# Altium PCB PCB_Therm.PcbDoc (continued)
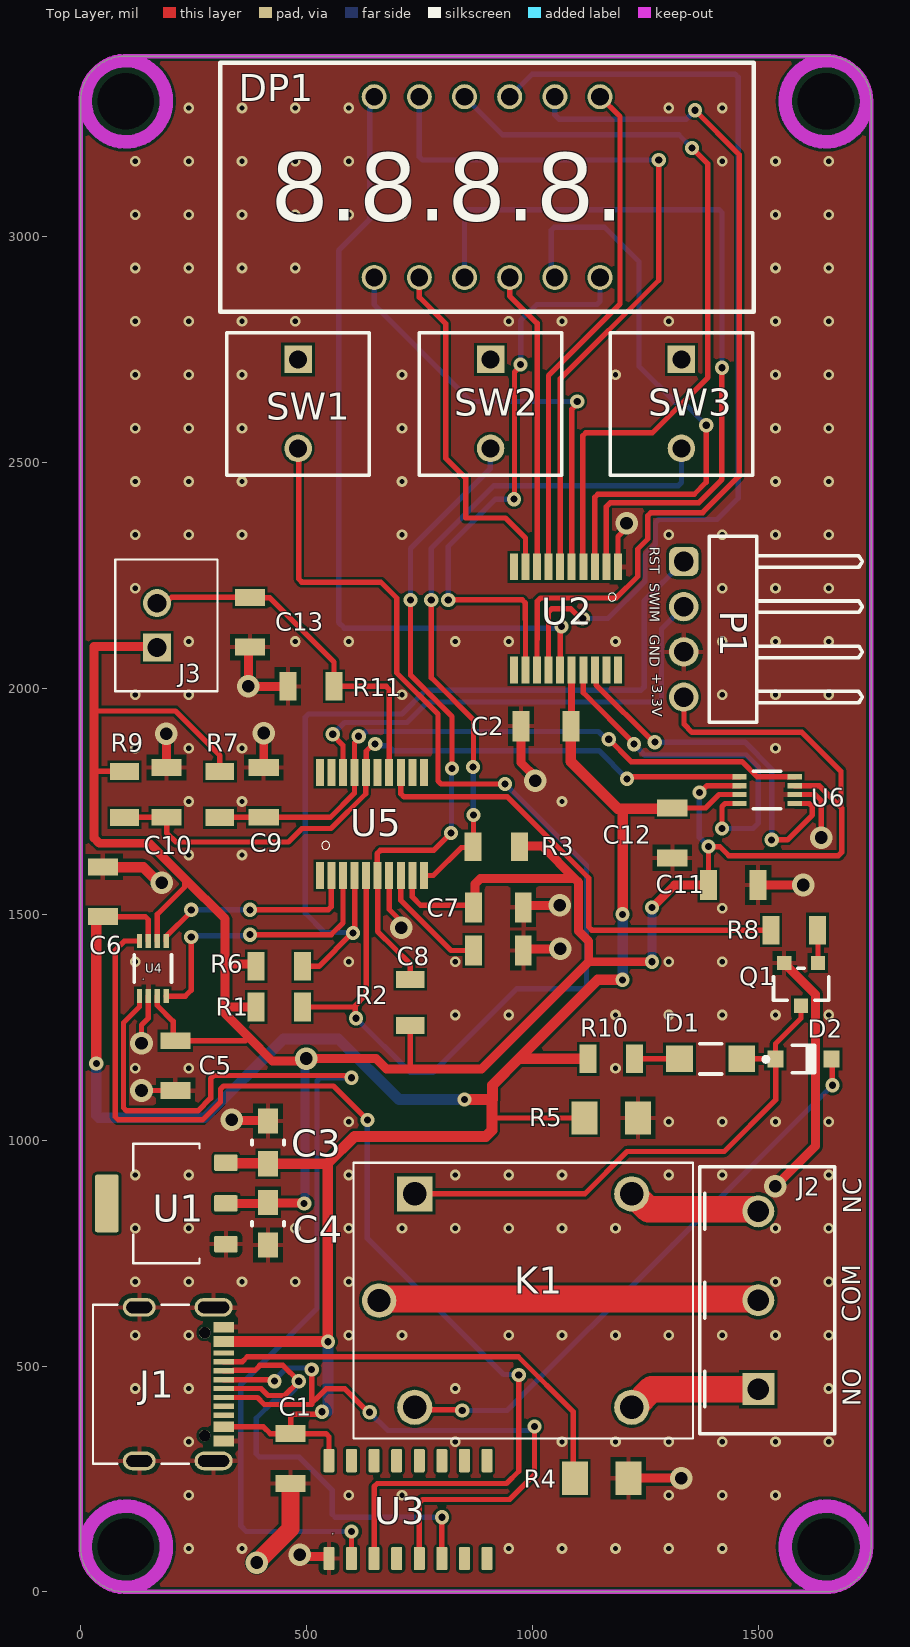
[diagram p0: Top Layer view]
## Part data (continued)
P1: library part CMP-1502-01063-4, "THT Angled Pin Header WR-PHD, Pitch 2.54 mm, Single Row, 4 pins", Color=Black, Contact Resistance=20mΩ, Current Rating=3A, Operating Supply Voltage=250V, Connector Type="Male Pin", Contact Material=Copper, Contact Mating Length=5.9944mm, Contact Plating=Gold, Gender=Male, Lead Pitch=2.54mm, Mount="Through Hole", Number of Contacts=4, Number of Pins=4, Number of Positions=4, Number of Rows=1, Pitch=2.54mm, RoHS=Compliant, Termination=Solder
Q1: library part CMP-83955-000006-1, "MOSFET N-CH 30V 5.7A SOT23", Case/Package=SOT-23, Continuous Drain Current (ID)=5.7A, Drain to Source Voltage (Vdss)=30V, Gate to Source Voltage (Vgs)=12V, Input Capacitance=630pF, Max Operating Temperature=150°C, Max Power Dissipation=1.4W, Min Operating Temperature=-55°C, Lead Free="Lead Free", Mount="Surface Mount", Number of Elements=1, Number of Pins=3, Packaging="Tape and Reel", Power Dissipation=1.4W, Radiation Hardening=No, Rds On Max=26.5mR
R1 R2 R3 R6 R7 R9 R11: library part CMP-03211-004788-1, "CRGP 1206 10K 1%", Ambient Temperature Range High=+70°C, Manufacturer=TE, Package=CRGP1206, Power Rating=0.5W, Resistance=10KΩ, Temperature="-55°C to +155°C", Temperature Coefficient=±100ppm/°C, Temperature Range High=+155°C, Temperature Range Low=-55°C, Tolerance=0.01, Voltage Rating=200V, Automotive=No, Category=Res, ComponentLink2Description=Datasheet, ComponentLink2URL=https://www.mouser.com/datasheet/2/418/NG_DS_9-1773463-9_A-1358566.pdf, Composition="Thick Film", Device Class L1="Passive Components", Device Class L2=Resistors, Device Class L3="Chip SMD Resistors", Digikey Description="CRGP 1206 10K 1%", Height=0.65mm, Ipc Land Pattern Name=RESC310155X55, Lead Free=Yes, Manufacturer Part Number=CRGP1206F10K, Octopart=https://octopart.com/crgp1206f10k-te+connectivity-91018843, RoHS=TRUE, Series=CRGP
R4 R5: library part CMP-08839-028234-1, "5.1kΩ ±1% 0.5W 1206 Anti-Surge Chip Resistor AEC-Q200", Case/Package=1206, Max Operating Temperature=155°C, Max Power Dissipation=333mW, Min Operating Temperature=-55°C, Package Quantity=5000, Resistance=5.1kR, Resistor Type="Thick Film", Temperature Coefficient=100ppm/°C, Tolerance=1%, Features="Automotive AEC-Q200", Height=0.026inch, Length=0.126inch, Number of Terminations=2, Packaging="Tape and Reel", RoHS Compliant=Yes, Series=ESR18, Width=0.063inch
R8 R10: library part CMP-03211-006592-1, "CRGCQ1206 1KΩ 0.25W 1% ±100ppm/°C 200V", Ambient Temperature Range High=+70°C, Manufacturer="TE Connectivity", Package=CRGCQ1206, Power Rating=0.25W, Resistance=1KΩ, Temperature="-55°C to +155°C", Temperature Coefficient=±100ppm/°C, Temperature Range High=+155°C, Temperature Range Low=-55°C, Tolerance=0.01, Voltage Rating=200V, Automotive=Yes, Automotive Grade="Grade 685", Category=Res, ComponentLink2Description=Datasheet, ComponentLink2URL=https://www.te.com/commerce/DocumentDelivery/DDEController?Action=showdoc&DocId=Data+Sheet%7F1773204-3%7F1%7Fpdf%7FEnglish%7FENG_DS_1773204-3_1.pdf%7F4-2176347-694, Composition="Thick Film", Device Class L1="Passive Components", Device Class L2=Resistors, Device Class L3="Chip SMD Resistors", Height=0.65mm, Ipc Land Pattern Name=RESC310155X55, Lead Free=Yes, Manufacturer Part Number=CRGCQ1206F1K0, Octopart=https://octopart.com/crgcq1206f1k0-te+connectivity-91018258, RoHS=TRUE, Series=CRGCQ
SW1 SW2 SW3: library part CMP-00287-56250562-1, "EVQ-QJJ05Q Switch Tactile N.O. SPST Round Button PC Pins 0.005A 12VDC 0.8N Thru-Hole Radial T/R", Case/Package=Axial, Contact Current Rating=5mA, Contact Resistance=200mΩ, Max Operating Temperature=70°C, Max Voltage Rating (DC)=12V, Min Operating Temperature=-20°C, Operating Force=800mN, Actuator Length=1.5mm, Contact Plating=Silver, Current Rating=5mA, Electrical Life=1Mcycles, Height=5mm, Illumination Type="Illuminated, Non-Illuminated", Lead Free="Lead Free", Length=8mm, Life (Cycles)=1Mcycles, Mechanical Life=1Mcycles, Mount="Through Hole", NexarPartId=56250562, Orientation=Straight, Packaging="Tape & Box (TB)", Radiation Hardening=No, REACH SVHC="No SVHC", RoHS=Compliant, Switch Function=Off-Mom, Switch Travel=1mm, Termination="PC Pin", Throw Configuration=SPST, Voltage Rating (DC)=12V, Width=8mm
U1: library part CMP-031-00006-2, "Linear Voltage Regulator IC Positive Fixed 1 Output 1A SOT-223-3L", Case/Package="SOT-223-3L UMW", Check_prices=https://www.snapeda.com/parts/AMS1117-3.3/UMW/view-part/?ref=eda, Component Type=Standard, Design Item ID=AMS1117-3.3, MF=UMW, MP=AMS1117-3.3, Pins=3, SnapEDA_Link=https://www.snapeda.com/parts/AMS1117-3.3/UMW/view-part/?ref=snap, Source=AMS1117-3.3.SchLib
U2: "LED Drive Control Special Circuit", Package=None, Check_prices=https://www.snapeda.com/parts/TM1637/Titan+Micro+Electronics/view-part/?ref=eda, MF="Titan Micro Electronics", MP=TM1637, SnapEDA_Link=https://www.snapeda.com/parts/TM1637/Titan+Micro+Electronics/view-part/?ref=snap
U3: library part CMP-019-000000-1, "USB to serial chip CH340", Package=None, Availability="Not in stock", Check_prices=https://www.snapeda.com/parts/CH340C/WCH/view-part/?ref=eda, Component Type=Standard, Design Item ID=CH340C, MF=WCH, MP=CH340C, Pin Count=16, Price=None, SnapEDA_Link=https://www.snapeda.com/parts/CH340C/WCH/view-part/?ref=snap, Source=CH340C.SchLib
U4 U6: library part CMP-0859-00001-2, "IC TRNSLTR BIDIRECTIONAL US8", Ambient Temperature Range High=+85°C, Ambient Temperature Range Low=-40°C, Manufacturer="Texas Instruments", Max Junction Temp=+150°C, Max Supply Voltage=5.5V, Min Supply Voltage=1.65V, Nominal Supply Current=1-14.4uA, Package=DCU0008A, Temperature="-40°C to +85°C", Automotive=No, Category=IC, ComponentLink2Description=Datasheet, ComponentLink2URL=http://www.ti.com/lit/ds/symlink/txs0102.pdf, Data Rate=24Mbits/s, Device Class L1="Integrated Circuits (ICs)", Device Class L2="Logic ICs", Device Class L3="Voltage Level Shifters", Digikey Description="IC TRNSLTR BIDIRECTIONAL US8", Height=0.9mm, Lead Free=Yes, Logic Function Desc="Bidirectional Voltage-Level Translator", Manufacturer Part Number=TXS0102DCUR, Mouser Description="Translation - Voltage Levels 2-Bit Bi-Directional Voltage-Level-Trans", Number Of Circuits=1, Number Of Inputs=2, Number Of Outputs=2, Octopart=https://octopart.com/txs0102dcur-texas+instruments-5414308, RoHS=TRUE, Standoff Height=0mm, Temperature Range High=+85°C, Temperature Range Low=-40°C, V A Max=3.6V, V A Min=1.65V, V B Max=5.5V, V B Min=2.3V
U5: "STM8 series Microcontroller IC 8-Bit 16MHz 8KB (8K x 8) FLASH 20-TSSOP", Package="TSSOP-20 STMicroelectronics", Check_prices=https://www.snapeda.com/parts/STM8S103F3P6/STMicroelectronics/view-part/?ref=eda, MF=STMicroelectronics, MP=STM8S103F3P6, SnapEDA_Link=https://www.snapeda.com/parts/STM8S103F3P6/STMicroelectronics/view-part/?ref=snap

## Free pads (board coordinates)
  round 0 hole 125.98 unplated: 2(1650,3300) 3(100,100) 3(100,3300) 3(1650,100)

## Via types
v1: diameter 23.62, hole 11.81, Top Layer to Bottom Layer, tented both sides, 177 vias
v2: diameter 31.5, hole 15.75, Top Layer to Bottom Layer, tented both sides, 56 vias
v3: diameter 50, hole 28, Top Layer to Bottom Layer, tented both sides, 19 vias

## Nets (pads, with @x,y where several pads share a name; then routed paths per layer and width w, separated by ;. In a path a pad name is that pad's centre, name@x,y a point inside that pad or via, vN(x,y) a via of type N, cw(c..) or ccw(c..) an arc to the next point about the centre after c; other vN are vias at no path point)
+3.3V: C4.2 C5.2 C7.2 C11.2 J3.1 P1.4 R1.2 R2.2 R3.2 R6.2 R7.2 R9.2 U1.2 U4.3 U4.6 U5.9 U6.3 U6.6 | length 6282.7
  Top Layer w11.81: 30,1820 33.54,1816.46 R9.2 ; 30,1950 210,1950 308.53,1851.47 R7.2 ; U4.3 169.84,1298.24 205,1263.08 205,1225.12 C5.2 365.12,1220.12 372.5,1227.5 ; U4.6 169.84,1499.84 230,1560 230,1580 ; 320,1300 325,1295 ; 730,1157.28 R2.2 ; U5.9 734.57,1538.58 753.15,1520 C7.2@873.4,1520 ; P1.4@1335.88,1980.51 1335.88,1921.07 1353.95,1902.99 1597.01,1902.99 1683.57,1816.43 1683.57,1736.43 ; v2(1370,1770) 1371.92,1770 1386.76,1784.84 U6.6 ; C11.2 1390,1565.12 v2(1390,1650) 1415,1650 1435,1630 1678.08,1630 1685,1636.92 1685,1735 1635.16,1784.84 U6.3
  Top Layer w19.68: J3.1 167.36,2092.52 30,2092.52 30,1950 30,1820 30,1669.03 41.53,1657.5 152.5,1657.5 230,1580 320,1490 320,1390 ; U1.2 410.45,860 415.03,864.58 418.49,861.12 493.89,861.12 v2(495.02,860) ; 325,1295 R1.2 ; R6.2@388.78,1390 320,1390 ; 425,1174.92 v3@495.08,1174.92 ; 425,1175 372.5,1227.5 320,1280 320,1300 320,1390 ; v3@500,1174.92 v3(500,1180.72) ; v3@505.36,1175.36 510.72,1180.72 654.29,1180.72 677.73,1157.28 730,1157.28 887.28,1157.28 1125,1395 ; C7.2@873.4,1520 873.4,1567.59 884.93,1579.12 1094.14,1579.12 ; R3.2@974.98,1651.64 1021.62,1651.64 1094.14,1579.12 ; v2(1265,1395) 1125,1395 ; v2(1265,1515) 1315,1565 C11.2 ; 1094.14,1579.12 1102.56,1570.71 1102.56,1462.62 1125,1440.18 1125,1395
  Bottom Layer w11.81: v2(1370,1770) 1370,1670 v2(1390,1650)
  Bottom Layer w19.68: v2(495.02,860) 497.28,862.26 497.28,1178 v3(500,1180.72) ; v2(1265,1395) v2(1265,1515)
+5V: C1.2 C2.1 C3.2 C6.2 C12.2 J1.A4/B9 J1.B4/A9 R5.2 R10.1 U1.3 U2.16 U3.16 U4.7 U6.7 | length 5240.6
  Top Layer w11.81: C6.2 143.24,1494.88 150.16,1487.96 U4.7 ; J1.B4/A9@317.32,365.51 404.88,365.51 420,350.39 C1.2 ; v2(534.78,398.78) 531.02,395.01 522.22,395.01 520.9,393.7 471.92,393.7 465,386.78 C1.2 ; U3.16 550,290.66 550,343.47 543.08,350.39 C1.2 ; 910.98,1055.98 917.67,1049.3 R5.2 ; C12.2@1309.37,1735.49 1383.85,1735.49 1413.52,1765.16 U6.7
  Top Layer w15.75: C2.1@1087.08,1918.26 U2.16@1087.08,2021.28
  Top Layer w19.68: C2.1 C2.1@1087.08,1918.26
  Top Layer w23.62: v2(35,1170) C6.2@35,1500 ; J1.A4/B9@317.32,554.49 v2@547.3,554.49 ; U1.3 322.89,948.96 413.8,948.96 C3.2 546.16,947.76 606.54,1008.13 897.15,1008.13 910.98,1021.97 910.98,1055.98 910.98,1090 ; 547.3,946.62 v2@547.3,554.49 ; v2(547.92,553.86) v2@547.3,554.49 ; v2@852.13,1090 910.98,1090 ; C2.1 1085.32,1838.31 1189.59,1734.04 1200,1734.04 ; R10.1 970,1180 ; v2(1200,1355) 1145,1355 970,1180 ; v2(1200,1500) 1200,1734.04 ; C12.2@1308.92,1734.04 1200,1734.04 ; 910.98,1090 911.94,1090 911.94,1121.94 970,1180
  Bottom Layer w23.62: v2(35,1170) 35,1055 40,1050 275,1050 449.23,1224.23 570.77,1224.23 705,1090 v2(850,1090) ; v2@547.85,400.32 547.92,400.39 v2(547.92,553.86) ; v2(1200,1355) v2(1200,1500)
GND: C1.1 C2.2 C3.1 C4.1 C5.1 C6.1 C7.1 C8.2 C9.2 C10.2 C11.1 C12.1 C13.1 J1.A1/B12 J1.B1/A12 J1.SH1 J1.SH2 J1.SH3 J1.SH4 P1.3 Q1.2 R4.1 R5.1 R11.1 U1.1 U2.1 U3.1 U4.2 U5.7 U6.2 | length 2417.5
  Top Layer w11.81: v3(135,1110) 209.88,1110 C5.1 ; v3(135,1215) 135,1255 150.16,1270.16 U4.2 ; U5.7 683.39,1510.7 710,1484.08 v3(710,1470) ; U2.1 1189.66,2336.02 1208.77,2355.13 v3(1208.77,2365.47) ; U6.2 1626.38,1765.16 1640,1751.54 v3(1640,1670)
  Top Layer w19.68: C10.2 v3(190,1900) ; J1.A1/B12@318.08,586.74 J1.A1/B12@318.25,586.92 ; U1.1 U1.1@321.82,769.97 ; v3(335,1045) 336.38,1043.62 413.62,1043.62 C3.1 ; C13.1 371.54,2087.92 v3(371.54,2004.76) R11.1@448.78,2004.76 ; C9.2 405.62,1825.35 v3(405.62,1901.3) ; v3(485,82.68) 489.34,78.33 547.5,78.33 549.86,75.97 U3.1 ; C2.2@975.13,1917.7 975.13,1835.86 1006.8,1804.19 v3(1006.8,1795.99) ; C7.1@983.63,1520 v3(1061.02,1520) ; C8.2@984.19,1421.34 986.31,1423.46 v3(1061.73,1423.46) ; R4.1 1213.23,251.97 v3(1330,251.97) ; C11.1 v3(1600,1565) ; v3(1537.83,897.83) 1626.89,986.89 1626.89,1322.95 1559.84,1390 Q1.2@1552.3,1390
  Top Layer w23.62: C6.1@63.78,1604.13 138.73,1604.13 172.86,1570 v3(180,1570)
  Top Layer w39.37: v3(390,65) 465,140 465,218.76
  other v1: 239.21,96.1 357.32,96.1 947.87,96.1 1065.98,96.1 1184.09,96.1 1302.2,96.1 1420.31,96.1 239.21,214.21 593.54,214.21 711.65,214.21 1302.2,214.21 1420.31,214.21 1538.42,214.21 239.21,332.32 829.76,332.32 1065.98,332.32 1184.09,332.32 1302.2,332.32 1420.31,332.32 1538.42,332.32 1656.54,332.32 121.1,450.43 239.21,450.43 829.76,450.43 1656.54,450.43 121.1,568.54 239.21,568.54 593.54,568.54 711.65,568.54 947.87,568.54 1065.98,568.54 1184.09,568.54 1302.2,568.54 1420.31,568.54 1538.42,568.54 1656.54,568.54 121.1,686.65 239.21,686.65 357.32,686.65 475.43,686.65 593.54,686.65 1538.42,686.65 1656.54,686.65 121.1,804.76 239.21,804.76 475.43,804.76 593.54,804.76 711.65,804.76 829.76,804.76 947.87,804.76 1065.98,804.76 1184.09,804.76 1538.42,804.76 1656.54,804.76 121.1,922.87 239.21,922.87 593.54,922.87 829.76,922.87 947.87,922.87 1065.98,922.87 1302.2,922.87 1420.31,922.87 1656.54,922.87 593.54,1040.98 1302.2,1040.98 1420.31,1040.98 1538.42,1040.98 1656.54,1040.98 121.1,1159.09 239.21,1159.09 1184.09,1159.09 829.76,1277.2 947.87,1277.2 1184.09,1277.2 1302.2,1277.2 1420.31,1277.2 1538.42,1277.2 1656.54,1277.2 121.1,1395.31 593.54,1395.31 829.76,1395.31 1302.2,1395.31 1420.31,1395.31 1420.31,1513.42 239.21,1631.54 357.32,1631.54 239.21,1749.65 357.32,1749.65 1065.98,1749.65 121.1,1867.76 239.21,1867.76 357.32,1867.76 1538.42,1867.76 121.1,1985.87 239.21,1985.87 711.65,1985.87 1420.31,1985.87 1538.42,1985.87 1656.54,1985.87 239.21,2103.98 475.43,2103.98 593.54,2103.98 829.76,2103.98 947.87,2103.98 1184.09,2103.98 1420.31,2103.98 1538.42,2103.98 1656.54,2103.98 121.1,2222.09 1420.31,2222.09 1538.42,2222.09 1656.54,2222.09 121.1,2340.2 239.21,2340.2 357.32,2340.2 711.65,2340.2 1302.2,2340.2 1420.31,2340.2 1538.42,2340.2 1656.54,2340.2 121.1,2458.31 239.21,2458.31 357.32,2458.31 711.65,2458.31 1538.42,2458.31 1656.54,2458.31 121.1,2576.42 239.21,2576.42 357.32,2576.42 711.65,2576.42 1538.42,2576.42 1656.54,2576.42 121.1,2694.53 239.21,2694.53 357.32,2694.53 711.65,2694.53 1184.09,2694.53 1538.42,2694.53 1656.54,2694.53 121.1,2812.64 239.21,2812.64 357.32,2812.64 475.43,2812.64 947.87,2812.64 1065.98,2812.64 1302.2,2812.64 1538.42,2812.64 1656.54,2812.64 121.1,2930.75 239.21,2930.75 357.32,2930.75 475.43,2930.75 1538.42,2930.75 1656.54,2930.75 121.1,3048.86 239.21,3048.86 357.32,3048.86 475.43,3048.86 593.54,3048.86 711.65,3048.86 1538.42,3048.86 1656.54,3048.86 121.1,3166.97 239.21,3166.97 357.32,3166.97 475.43,3166.97 593.54,3166.97 711.65,3166.97 1420.31,3166.97 1538.42,3166.97 1656.54,3166.97 239.21,3285.08 357.32,3285.08 475.43,3285.08 593.54,3285.08 1302.2,3285.08 1420.31,3285.08
NetC8_1: C8.1 U5.8 | length 265.8
  Top Layer w11.81: U5.8 708.98,1531.02 820,1420 872.06,1420 C8.1@873.4,1421.34
NetC9_1: C9.1 R7.1 U5.17 U6.4 | length 1457.1
  Top Layer w11.81: R7.1@312.63,1714.88 553.14,1714.88 606.61,1768.35 606.61,1879.84 615.72,1888.95 v2(615.72,1894.28) ; v2(1169.44,1887.53) 1218.99,1837.98 1464.44,1837.98 1497.89,1804.53 U6.4
  Bottom Layer w11.81: v2(615.72,1894.28) 621.05,1894.28 631.64,1904.87 1146.78,1904.87 1164.11,1887.53 v2(1169.44,1887.53)
NetC10_1: C10.1 R9.1 U5.16 U6.5 | length 1583.1
  Top Layer w11.81: R9.1 98.19,1714.88 190.61,1714.88 190.61,1680.25 210.86,1660 460,1660 490,1690 554.43,1690 631.36,1766.93 631.36,1813.33 U5.16 ; U5.16@632.2,1814.34 632.2,1861.13 647.99,1876.91 v2(652.17,1876.91) ; v2(1210,1800) 1215.33,1800 1219.85,1804.53 U6.5
  Bottom Layer w11.81: v2(652.17,1876.91) 655.94,1873.15 680.82,1873.15 691.54,1862.43 1147.57,1862.43 v2(1210,1800)
NetC13_2: C13.2 J3.2 R11.2 U5.14 | length 819.1
  Top Layer w11.81: J3.2 178.94,2198.58 198.2,2198.58 201.35,2201.73 C13.2 376.19,2200.63 419.37,2200.63 561.22,2058.78 561.22,2023.16 R11.2 676.47,2004.76 683.39,1997.84 U5.14
NetD1_1: D1.1 D2.1 K1.A1 Q1.3 | length 1179.1
  Top Layer w11.81: K1.A1 1116.22,881.22 1210,975 1425,975 1538.91,1088.91 1538.91,1167.2 1539.89,1168.19 D2.1@1541.18,1168.19 ; D1.1@1465.87,1180 D2.1 ; D2.1@1538.47,1180.36 1538.47,1213.47 1595,1270 Q1.3
NetD1_2: D1.2 R10.2 | length 100.2
  Top Layer w11.81: R10.2 D1.2@1326.38,1180
NetD2_2: D2.2 K1.A2 | length 1285.1
  Top Layer w11.81: K1.A2 745.65,402.97 843.6,402.97 v2(845,401.57) ; D2.2 1664.4,1177.73 v2(1664.4,1121.6)
  Bottom Layer w11.81: v2(845,401.57) 944.37,401.57 1311.1,768.3 v2(1664.4,1121.6)
NetDP1_D1: DP1.D1 U2.15 | length 1793.7
  Top Layer w11.81: U2.15@1061.62,2041.05 1061.62,2133.77 v2(1064.88,2137.02)
  Bottom Layer w11.81: DP1.D1 641.67,3301.67 641.67,3282.98 640,3281.31 640,3038.09 571.47,2969.56 571.47,2146.07 583.89,2133.66 1061.51,2133.66 v2(1064.88,2137.02)
NetDP1_D2: DP1.D2 U2.14 | length 2193.9
  Top Layer w11.81: U2.14 1036.1,2169.44 1043.02,2176.36 1085.85,2176.36 1107.22,2154.98 v2(1111.8,2154.98)
  Bottom Layer w11.81: DP1.D2 1000,3360 1448.86,3360 1455.78,3353.08 1455.78,2421.04 1409,2374.26 1279.83,2374.26 1272.91,2367.34 1272.91,2320.14 1249.42,2296.65 1249.42,2237.28 1167.12,2154.98 v2(1111.8,2154.98)
NetDP1_D3: DP1.D3 U2.13 | length 1992.6
  Top Layer w11.81: U2.13 1010.53,2107.9 1011.22,2108.59 1011.22,2193.42 1018.14,2200.34 1185.65,2200.34 1233.54,2248.23 1233.54,2308.75 1255.74,2330.94 1255.74,2382.23 1262.66,2389.15 1377.13,2389.15 1457.95,2469.96 1457.95,3182.05 v2(1360,3280)
  Bottom Layer w11.81: DP1.D3 1050,3270 1060,3260 1340,3260 v2(1360,3280)
NetDP1_D4: DP1.D4 U2.12 | length 1276.6
  Top Layer w11.81: v2@814.58,2196.14 977.91,2196.14 984.83,2189.23 984.83,2153.2 984.93,2153.09 U2.12 ; v2(959.38,2419.15) 960.73,2420.5 960.73,2700.5 974.21,2713.99 v2(974.21,2717.27)
  Bottom Layer w11.81: v2(814.07,2195.63) 814.07,2314.26 918.95,2419.15 v2(959.38,2419.15) ; v2(974.21,2717.27) 974.21,2814.21 1010,2850 1143.08,2850 1150,2856.92 DP1.D4
NetDP1_DP: DP1.DP U2.2 | length 1723.1
  Top Layer w11.81: U2.2 1164.07,2402.69 1172.41,2411.03 1368.38,2411.03 1419.81,2462.46 v2@1419.81,2709.81
  Bottom Layer w11.81: DP1.DP 850,3053.08 856.92,3060 1413.08,3060 1420,3053.08 v2(1420,2710)
NetDP1_SEGA: DP1.SEGA U2.6 | length 1657.1
  Top Layer w11.81: U2.6 1061.71,2685.48 1280,2903.77 v2(1280,3170)
  Bottom Layer w11.81: DP1.SEGA 750,3176.92 756.92,3170 v2(1280,3170)
NetDP1_SEGB: DP1.SEGB U2.7 | length 1124.5
  Top Layer w11.81: U2.7 1036.12,2693.02 1194.19,2851.09 1194.19,3265.81 DP1.SEGB
NetDP1_SEGC: DP1.SEGC U2.8 | length 665.9
  Top Layer w11.81: DP1.SEGC 950,2869.32 1010.92,2808.4 U2.8@1010.92,2269.31
NetDP1_SEGD: DP1.SEGD U2.9 | length 789.8
  Top Layer w11.81: DP1.SEGD 750,2866.16 808.23,2807.93 808.23,2509.79 852.41,2465.61 852.41,2377.26 940.76,2377.26 984.93,2333.08 U2.9
NetDP1_SEGE: DP1.SEGE U2.5 | length 969.2
  Top Layer w11.81: U2.5@1087.47,2269.48 1087.47,2618.01 1099.47,2630.01 v2(1099.47,2635.34)
  Bottom Layer w11.81: DP1.SEGE 650,2850 864.66,2635.34 v2(1099.47,2635.34)
NetDP1_SEGF: DP1.SEGF U2.4 | length 1694.2
  Top Layer w11.81: U2.4 1111.61,2270.59 1111.61,2559.23 1118.53,2566.15 1266.15,2566.15 1388.84,2688.84 1388.84,3161.27 v2(1353.79,3196.32)
  Bottom Layer w11.81: DP1.SEGF 934.17,3225.83 1324.28,3225.83 v2(1353.79,3196.32)
NetDP1_SEGG: DP1.SEGG U2.3 | length 1311.6
  Top Layer w11.81: U2.3@1138.16,2269.63 1138.16,2423.06 1145.08,2429.98 1358.57,2429.98 1385.24,2456.65 v2(1385.24,2582.78)
  Bottom Layer w11.81: DP1.SEGG 1041.74,2918.26 1041.74,3014.17 1048.66,3021.09 1159.75,3021.09 1236.1,2944.74 1236.1,2713.33 1315.6,2633.83 1334.19,2633.83 v2(1385.24,2582.78)
NetJ1_A5: J1.A5 R4.2 | length 975.8
  Top Layer w11.81: J1.A5@317.32,509.21 357.68,509.21 369.1,520.63 968.9,520.63 1090.9,398.64 R4.2@1090.9,251.66
NetJ1_A6: J1.A6 J1.B6 U3.5 | length 1548.1
  Top Layer w11.81: J1.B6@317.32,430.47 391.31,430.47 406.7,415.08 511.59,415.08 v2(511.59,492.28) ; J1.A6@317.32,469.84 426.33,469.84 v2(429.6,466.58) ; 511.59,417.94 526.65,433 543.26,449.61 585.31,449.61 637.28,397.64 v2(640,397.64) ; U3.5 750,74.13 750,197.81 756.92,204.72 950,204.72 1005,259.72 v2(1005,366.14)
  Bottom Layer w11.81: v2(429.6,466.58) 429.6,469.6 455.59,495.59 508.29,495.59 v2(511.59,492.28) ; v2(640,397.64) 680.43,357.2 990.74,357.2 999.67,366.14 v2(1005,366.14)
NetJ1_A7: J1.A7 J1.B7 U3.6 | length 1174
  Top Layer w11.81: J1.A7@317.32,450.16 399.84,450.16 415,435 451.82,435 v2(483.16,466.34) 448.03,501.46 397.01,501.46 386.26,490.71 338.7,490.71 337.51,489.53 J1.B7@317.32,489.53 ; U3.6 799.93,74.06 799.93,165.29 v2(800,165.35)
  Bottom Layer w11.81: v2(483.16,466.34) 483.16,461.01 475.39,453.24 475.39,450.39 447.43,422.43 426.91,422.43 388.98,384.5 388.98,305.66 395.9,298.74 483.98,298.74 556.92,225.8 556.92,172.27 563.84,165.35 v2(800,165.35)
NetJ2_1: J2.1 K1.NO | length 295
  Top Layer w59.06: K1.NO@1221.08,411.03 1226.34,411.03 1264.2,448.89 J2.1
NetJ2_2: J2.2 K1.COM | length 841.2
  Top Layer w59.06: K1.COM@656.91,647.25 658.26,648.6 1495.62,648.6 J2.2@1496.97,649.95
NetJ2_3: J2.3 K1.NC | length 296.2
  Top Layer w59.06: K1.NC@1215.97,883.47 1221.08,883.47 1257.75,846.8 J2.3@1496.97,846.8
NetP1_1: P1.1 R6.1 U5.4 | length 1921.7
  Top Layer w11.81: R6.1 527.74,1385 601.17,1458.43 v2(603.25,1458.43) ; v2@603.13,1458.31 v2(603.25,1458.43) ; U5.4 606.81,1585.63 606.81,1461.99 v2(603.25,1458.43)
  Bottom Layer w11.81: v2(603.25,1458.43) 602.04,1459.64 540.36,1459.64 497.6,1502.4 497.6,1936.6 504.52,1943.52 711.27,1943.52 763.78,1996.03 1240.86,1996.03 1247.78,2002.95 1247.78,2193.51 P1.1
NetP1_2: P1.2 U5.18 | length 1078.7
  Top Layer w11.81: v2(558.32,1898.78) 558.32,1896.87 581.02,1874.16 U5.18
  Bottom Layer w11.81: v2(558.32,1898.78) 584.34,1924.8 723.15,1924.8 768.54,1970.19 1279.33,1970.19 1286.25,1977.11 1286.25,2131.98 P1.2
NetQ1_1: Q1.1 R8.1 | length 78.1
  Top Layer w11.81: Q1.1 1632.4,1467.37 R8.1@1634.52,1469.48
NetR1_1: R1.1 SW1.B U5.5 | length 2721.6
  Top Layer w11.81: SW1.B 483.01,2530.18 483.01,2242.37 489.93,2235.45 664.55,2235.45 700,2200 700,2034.6 791.26,1943.33 791.26,1795.44 798.18,1788.52 v2(939.88,1788.52) ; R1.1 605,1295 ; v2(610,1270) 608.15,1271.85 608.15,1291.85 605,1295 ; U5.5 632.2,1322.2 605,1295
  Bottom Layer w11.81: v2(610,1270) 730,1150 780,1150 964.94,1334.94 1113.08,1334.94 1120,1341.86 1120,1608.41 v2(939.88,1788.52)
NetR2_1: R2.1 SW2.B U5.6 | length 1455.9
  Top Layer w11.81: v2(730.56,2195.84) 730.56,2029.65 822.45,1937.76 v2(822.45,1823.03) ; R2.1@731.22,1355 R2.1 730,1390 695,1425 657.8,1462.21 U5.6 656.74,1586.88 656.74,1634.7 663.66,1641.62 781.62,1641.62 v2(820,1680)
  Bottom Layer w11.81: v2(730.56,2195.84) 730.56,2310.07 907.18,2486.69 SW2.B@907.18,2531.07 ; v2(820,1680) 821.22,1681.22 821.22,1821.8 v2(822.45,1823.03)
NetR3_1: R3.1 SW3.B U5.10 | length 1523.5
  Top Layer w11.81: U5.10 780.83,1585.83 842.91,1647.91 R3.1@867.77,1647.91 ; v2(776.28,2195.84) 776.28,2024.25 776.42,2024.1 870,1930.52 870,1827.11 v2(868.85,1825.96) ; R3.1 870,1651.22 v2(870,1720)
  Bottom Layer w11.81: v2(776.28,2195.84) 776.28,2309.92 915.46,2449.1 1323.28,2449.1 1330.2,2456.02 SW3.B ; v2(868.85,1825.96) 869.43,1825.39 869.43,1720.57 v2(870,1720)
NetR8_2: R8.2 U5.13 | length 1058.7
  Top Layer w11.81: U5.13 708.98,1766.92 715.9,1760 945,1760 1125,1580 1125,1471.92 1131.92,1465 R8.2@1532.07,1465
NetU2_17: U2.17 U6.8 | length 806.2
  Top Layer w11.81: U2.17@1113.13,2040.72 1113.13,1990.49 1225.2,1878.42 v2(1225.2,1876.79) ; v2(1420,1690) 1420,1738.55 1426.92,1745.47 U6.8
  Bottom Layer w11.81: v2(1225.2,1876.79) 1249.9,1852.09 1474.05,1852.09 1500,1826.14 1500,1700.97 1489.03,1690 v2(1420,1690)
NetU2_18: U2.18 U6.1 | length 829.9
  Top Layer w11.81: U2.18 1141.43,2038.01 1141.43,2007.96 1268.17,1881.21 v2(1271.37,1881.21) ; v2(1530,1665) 1565,1665 1620,1720 1620,1738.55 1613.08,1745.47 U6.1
  Bottom Layer w11.81: v2(1271.37,1881.21) 1470.56,1881.21 1530,1821.77 v2(1530,1665)
NetU3_2: U3.2 U4.1 | length 2273.9
  Top Layer w11.81: U4.1 130.47,1295.47 95,1260 95,1071.92 101.92,1065 260,1065 288.13,1093.13 288.13,1136.21 295.04,1143.13 583.24,1143.13 584.25,1142.11 596.23,1142.11 v2(600,1138.35) ; U3.2 599.93,74.06 599.93,133.79 v2(600,133.86)
  Bottom Layer w11.81: v2(600,133.86) 366.92,133.86 355,145.78 355,459.37 523.36,627.73 523.36,1131.43 530.28,1138.35 v2(600,1138.35)
NetU3_3: U3.3 U4.8 | length 2500
  Top Layer w11.81: U4.8 96.92,1441.02 76.5,1420.6 76.5,1051.92 83.42,1045 270,1045 310,1085 310,1113.08 316.92,1120 560,1120 v2(635,1045) ; U3.3 649.86,233.24 656.78,240.16 943.08,240.16 970,267.08 v2(970,480)
  Bottom Layer w11.81: v2(635,1045) 635,782.76 936.54,481.22 968.78,481.22 v2(970,480)
NetU4_4: U4.4 U5.3 | length 632.5
  Top Layer w11.81: U4.4 231.82,1318.98 245,1332.16 v2(245,1450) ; v2(375,1455) 555,1455 581.02,1481.02 U5.3
  Bottom Layer w11.81: v2(245,1450) 247.5,1452.5 372.5,1452.5 v2(375,1455)
NetU4_5: U4.5 U5.2 | length 473.9
  Top Layer w11.81: U4.5 189.53,1450.87 245,1506.34 v2(245,1510) ; v2(375,1510) 548.08,1510 555,1516.92 555,1585.39 U5.2
  Bottom Layer w11.81: v2(245,1510) v2(375,1510)
pads on no net: J1. J1.A8 J1.B5 J1.B8 SW1.A SW2.A SW3.A U1.4 U2.10 U2.11 U2.19 U2.20 U3.4 U3.7 U3.8 U3.9 U3.10 U3.11 U3.12 U3.13 U3.14 U3.15 U5.1 U5.11 U5.12 U5.15 U5.19 U5.20

## Polygon pours and split planes (outlines as drawn)
GND on Bottom Layer "GND_L02_P001" (solid, remove dead copper, pour order 1): 0,3400 1750,3400 1750,0 0,0
GND on Top Layer "GND_L01_P000" (solid, remove dead copper, pour order 0): 0,3400 1750,3400 1750,0 0,0

## Keep-outs
Keep-Out Layer:
  circle w30: c1650,100 r90
  circle w30: c100,100 r90
  circle w30: c1650,3300 r90
  circle w30: c100,3300 r90
  lines w10: 0,100 0,3300 ; 106.98,3400 1650,3400 ; 1643.53,0 100.01,0 ; 1750,3300 1750,100 ; 100,0 100.01,0 ; 1750,100 1750,100

## Silkscreen, mask and mechanical layers (free items; w line width, h text height)
Top Overlay:
  text "RST" at 1252.01,2313.45 h39.37 r270
  text "SWIM" at 1252.44,2233.45 h39.37 r270
  text "GND" at 1252.44,2118.45 h39.37 r270
  text "+3.3V" at 1257.44,2033.45 h39.37 r270
  text "o" at 137.32,1354.06 h0.47
  text "NC" at 1727.74,837.58 h39.37 r90
  text "COM" at 1725.66,597.53 h39.37 r90
  text "NO" at 1727.66,411.1 h39.37 r90
  text "o" at 557.73,126.6 h3.94
Mechanical 1:
  lines w10: 99.86,3400 1650,3400 cw(c1650,3300) 1750,3300 1750,100 cw(c1650,100) 1650,0 100,0 cw(c100,100) 0,100 0,3300 cw(c100,3300) 100,3400

## Text inside footprints (layer, text, board x,y; h text height)
DP1: Top Overlay "8.8.8.8." at 420,3035 h150